# Altium PCB 主控板20160428.PcbDoc (part 3 of 3)
Units mm, origin at the board's own origin, x right, y up, seen from the top; angles counter-clockwise.
Board outline 105 x 80 mm, 2 copper layers (Top Layer, Bottom Layer); 88 components, 152 nets, 500 pads, 192 vias.
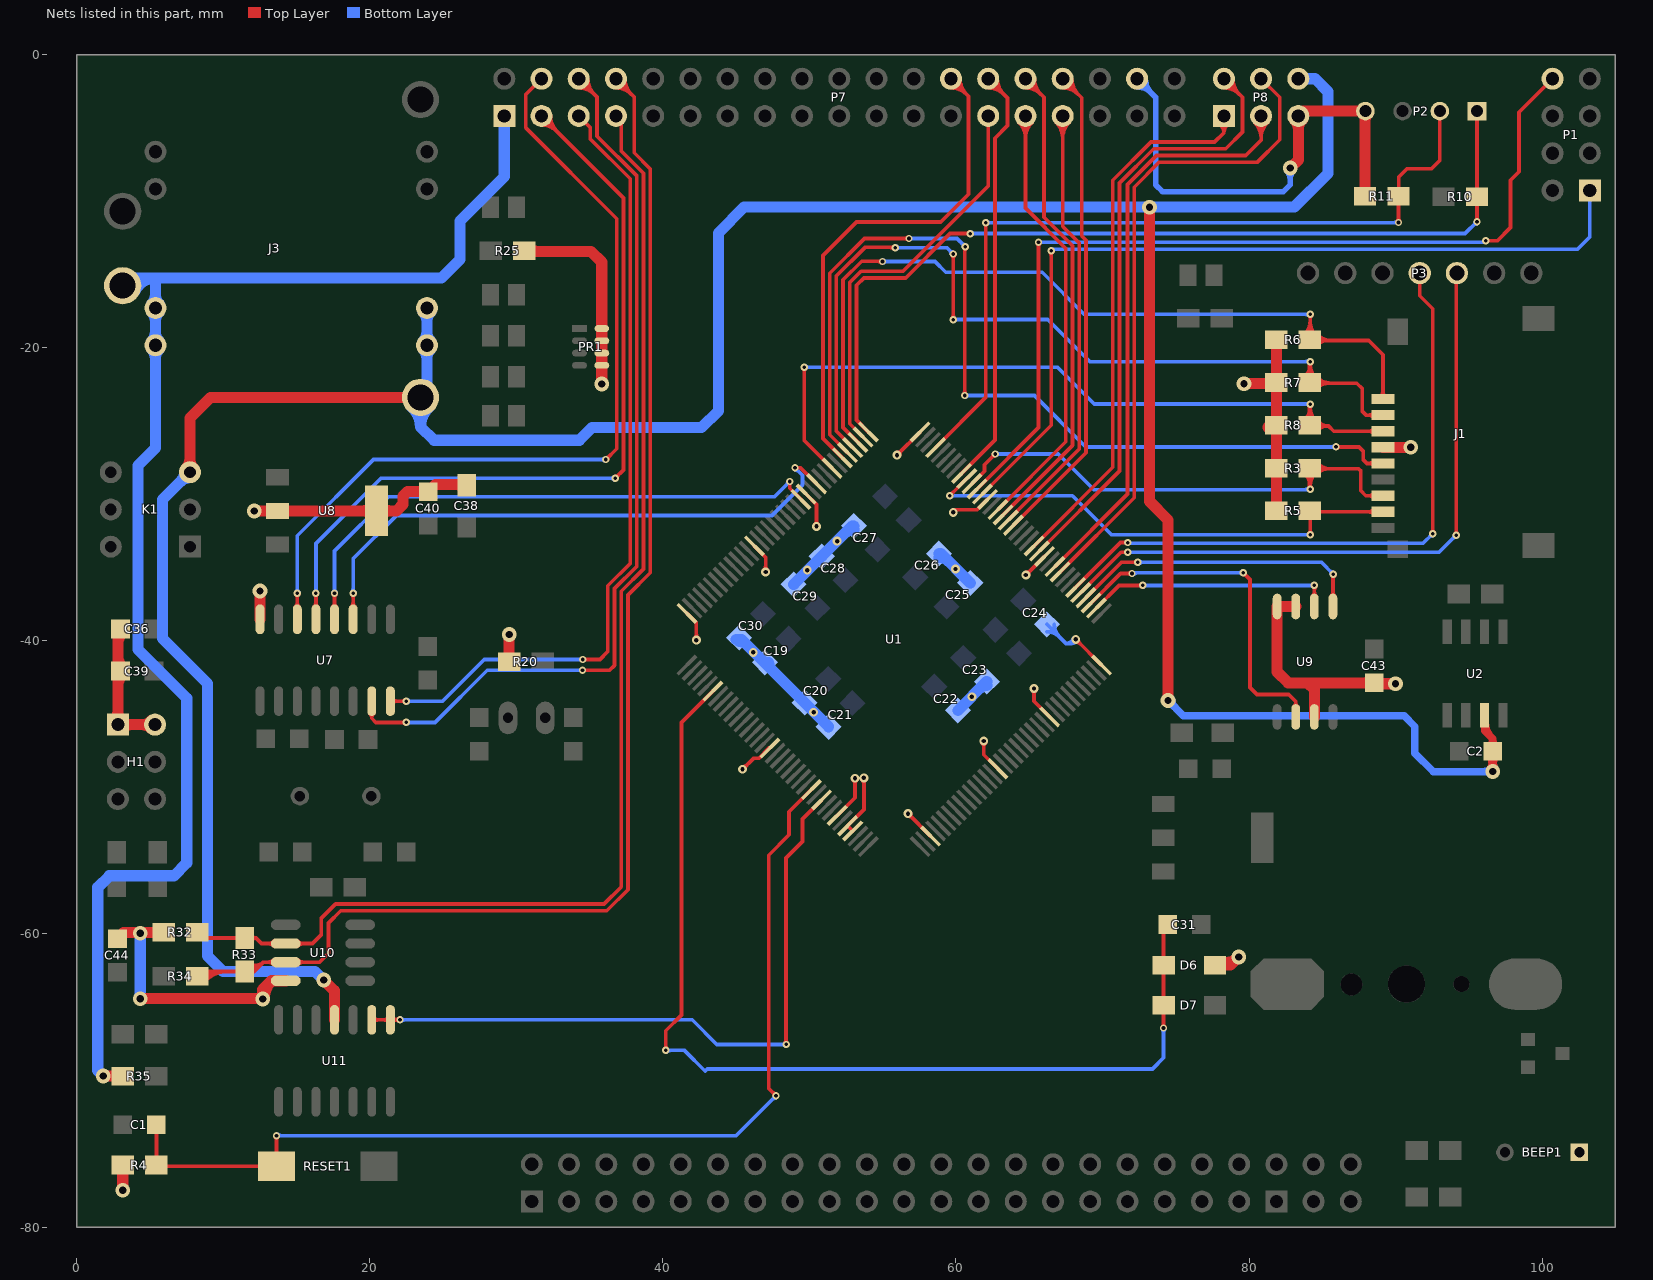
[diagram p3: the nets of this part, all layers, seen from the top]

## Via types
v1: diameter 0.5, hole 0.25, Top Layer to Bottom Layer, 117 vias
v2: diameter 1, hole 0.5, Top Layer to Bottom Layer, 40 vias
v3: diameter 0.6, hole 0.3, Top Layer to Bottom Layer, 31 vias
v4: diameter 1.524, hole 1, Top Layer to Bottom Layer, 4 vias

## Nets (pads, with @x,y where several pads share a name; then routed paths per layer and width w, separated by ;. In a path a pad name is that pad's centre, name@x,y a point inside that pad or via, vN(x,y) a via of type N, cw(c..) or ccw(c..) an arc to the next point about the centre after c; other vN are vias at no path point) (continued)
PA13-JTMS: P2.2 R11.2 U1.105 | length 55.9
  Top Layer w0.254: U1.105@58.62,-26.813 62.027,-23.406 v1(62.027,-11.481) v1@62.027,-11.455 ; v1@90.108,-11.368 ccw(c89.898,-11.158) 90.195,-11.158 ccw(c90.492,-11.158) v1@90.282,-11.368 ; v1(90.195,-11.455) R11.2@90.195,-9.677 90.195,-9.423 90.221,-9.398 90.221,-8.357 90.78,-7.798 92.456,-7.798 93.015,-7.239 P2.2@93.015,-3.861
  Bottom Layer w0.254: v1(62.027,-11.481) v1@90.221,-11.481 ; v1@62.114,-11.568 cw(c62.324,-11.778) 62.324,-11.481 cw(c62.324,-11.184) v1@62.114,-11.394 ; 89.837,-11.481 ccw(c89.837,-11.097) v1@90.108,-11.368
PA14-JTCK: P2.1 R10.2 U1.109 | length 63.9
  Top Layer w0.254: U1.109@54.024,-25.752 53.213,-24.941 53.213,-15.748 53.721,-15.24 56.577,-15.24 59.6,-12.217 v1(60.985,-12.217) ; v1@60.898,-12.304 ccw(c60.688,-12.514) 60.688,-12.217 ccw(c60.688,-11.92) v1@60.898,-12.13 ; v1@95.468,-11.318 ccw(c95.258,-11.108) 95.555,-11.108 ccw(c95.852,-11.108) v1@95.642,-11.318 ; v1(95.555,-11.405) R10.2@95.555,-9.703 P2.1@95.555,-3.861
  Bottom Layer w0.254: v1(60.985,-12.217) 94.742,-12.217 v1(95.555,-11.405) ; v1@61.072,-12.304 cw(c61.282,-12.514) 61.282,-12.217 cw(c61.282,-11.92) v1@61.072,-12.13 ; v1@95.432,-11.405 cw(c95.135,-11.405) 95.345,-11.615 cw(c95.555,-11.825) v1@95.555,-11.528
PC6_U6_TX: P1.1 U1.96 | length 58.8
  Top Layer w0.254: U1.96@61.802,-29.995 66.497,-25.299 v1(66.497,-13.386) ; v1@66.41,-13.473 cw(c66.2,-13.683) 66.497,-13.683 cw(c66.794,-13.683) v1@66.584,-13.473
  Bottom Layer w0.254: v1(66.497,-13.386) 66.592,-13.291 102.406,-13.291 103.251,-12.446 P1.1@103.251,-9.779
PC7_U6_RX: P1.8 U1.97 | length 63
  Top Layer w0.254: U1.97@61.448,-29.641 65.634,-25.456 v1(65.634,-12.802) ; v1@65.547,-12.889 cw(c65.337,-13.099) 65.634,-13.099 cw(c65.931,-13.099) v1@65.721,-12.889 ; v1(96.139,-12.7) 96.952,-12.7 97.841,-11.811 97.841,-8.585 98.425,-8.001 98.425,-3.937 P1.8@100.711,-1.651
  Bottom Layer w0.254: v1(65.634,-12.802) v1@96.139,-12.802
PC8_SDIO_0: J1.7 R3.1 U1.98 | length 41
  Top Layer w0.254: U1.98@61.095,-29.288 61.951,-28.432 61.951,-27.991 v1(62.687,-27.254) ; v1@62.564,-27.254 cw(c62.267,-27.254) 62.477,-27.464 cw(c62.687,-27.674) v1@62.687,-27.377 ; R3.1@83.791,-28.579 cw(c82.862,-29.507) v1@84.176,-29.507 ; R3.1@83.971,-28.399 cw(c83.476,-28.894) 84.176,-28.894 ; v1@84.069,-29.606 ccw(c83.689,-29.387) 84.113,-29.273 ; v1@84.089,-29.58 ccw(c83.879,-29.37) 84.176,-29.37 ccw(c84.473,-29.37) v1@84.263,-29.58 ; v1(84.176,-29.667) 84.176,-28.27 87.478,-28.27 87.63,-28.423 87.63,-29.769 87.964,-30.103 J1.7@89.138,-30.103 ; 84.176,-29.385 cw(c85.315,-29.385) R3.1@84.509,-28.579 ; R3.1@84.457,-28.04 ccw(c85.013,-27.484) 85.013,-28.27 ; R3.1@84.636,-28.579 cw(c85.381,-29.323) 85.381,-28.27 ; R3.1@84.636,-27.86 ccw(c85.626,-26.87) 85.626,-28.27 ; J1.7@88.53,-30.26 ccw(c88.149,-30.641) 88.149,-30.103 ccw(c88.149,-29.564) J1.7@88.53,-29.945
  Bottom Layer w0.254: v1(62.687,-27.254) 66.98,-27.254 69.414,-29.689 84.154,-29.689 v1(84.176,-29.667) ; v1@62.774,-27.341 cw(c62.984,-27.551) 62.984,-27.254 cw(c62.984,-26.957) v1@62.774,-27.167 ; 83.827,-29.689 ccw(c83.827,-29.319) v1@84.089,-29.58
PC9_SDIO_1: J1.8 R5.1 U1.99 | length 36.1
  Top Layer w0.254: v1(59.576,-30.099) U1.99@60.741,-28.934 ; v1@59.576,-29.976 ccw(c59.576,-29.679) 59.786,-29.889 ccw(c59.996,-30.099) v1@59.699,-30.099 ; v1@84.089,-32.679 ccw(c83.879,-32.469) 84.176,-32.469 ccw(c84.473,-32.469) v1@84.263,-32.679 ; v1(84.176,-32.766) 84.176,-31.191 84.187,-31.203 J1.8@89.138,-31.203 ; J1.8@88.53,-31.36 ccw(c88.149,-31.741) 88.149,-31.203 ccw(c88.149,-30.664) J1.8@88.53,-31.045
  Bottom Layer w0.254: v1(59.576,-30.099) 67.945,-30.099 70.612,-32.766 v1(84.176,-32.766) ; v1@59.663,-30.186 cw(c59.873,-30.396) 59.873,-30.099 cw(c59.873,-29.802) v1@59.663,-30.012
PC10_SDIO_2: J1.1 R6.1 U1.111 | length 63.1
  Top Layer w0.254: U1.111@53.316,-26.459 52.299,-25.441 52.299,-15.369 53.571,-14.097 v1@54.991,-14.097 ; 54.633,-14.097 cw(c54.633,-14.481) v1@54.904,-14.209 ; R6.1@83.791,-19.097 ccw(c82.862,-18.169) 84.176,-18.169 ; R6.1@83.971,-19.277 ccw(c83.476,-18.782) 84.176,-18.782 ; v1@84.089,-17.816 cw(c83.879,-18.026) 84.176,-18.026 cw(c84.473,-18.026) v1@84.263,-17.816 ; 84.176,-18.291 ccw(c85.315,-18.291) R6.1@84.509,-19.097 ; v1(84.176,-17.729) 84.176,-19.507 88.163,-19.507 89.138,-20.482 J1.1@89.138,-23.503 ; R6.1@84.457,-19.277 ccw(c85.013,-18.721) 85.013,-19.507 ; R6.1@84.636,-19.816 cw(c85.381,-20.56) 85.381,-19.507 ; R6.1@84.636,-19.097 ccw(c85.626,-18.107) 85.626,-19.507 ; J1.1@88.98,-23.345 ccw(c88.599,-22.964) 89.138,-22.964 ccw(c89.676,-22.964) J1.1@89.295,-23.345
  Bottom Layer w0.254: v1(54.991,-14.122) 58.572,-14.122 59.309,-14.859 65.888,-14.859 68.758,-17.729 v1(84.176,-17.729) ; v1@55.078,-14.209 cw(c55.288,-14.419) 55.288,-14.122 cw(c55.288,-13.825) v1@55.078,-14.035 ; v1@84.089,-17.816 ccw(c83.879,-18.026) 83.879,-17.729 ccw(c83.879,-17.432) v1@84.089,-17.642
PC11_SDIO_3: J1.2 R7.1 U1.112 | length 69.1
  Top Layer w0.254: U1.112@52.963,-26.813 51.841,-25.691 51.841,-15.113 53.797,-13.157 v1@55.855,-13.157 ; 55.496,-13.157 cw(c55.496,-13.541) v1@55.768,-13.27 ; v1@59.73,-17.998 ccw(c59.52,-17.788) 59.817,-17.788 ccw(c60.114,-17.788) v1@59.904,-17.998 ; v1@59.73,-13.701 cw(c59.52,-13.911) 59.817,-13.911 cw(c60.114,-13.911) v1@59.904,-13.701 ; v1(59.817,-18.085) v1(59.817,-13.614) ; R7.1@83.791,-22.018 ccw(c82.862,-21.09) v1@84.176,-21.09 ; R7.1@83.971,-22.198 ccw(c83.476,-21.703) 84.176,-21.703 ; v1@84.069,-21.016 cw(c83.709,-21.224) 84.111,-21.332 ; v1@84.089,-21.042 cw(c83.879,-21.252) 84.176,-21.252 cw(c84.473,-21.252) v1@84.263,-21.042 ; 84.176,-21.212 ccw(c85.315,-21.212) R7.1@84.509,-22.018 ; v1(84.176,-20.955) 84.176,-22.428 87.351,-22.428 87.732,-22.809 87.732,-24.359 87.976,-24.603 J1.2@89.138,-24.603 ; R7.1@84.457,-22.198 ccw(c85.013,-21.642) 85.013,-22.428 ; R7.1@84.636,-22.737 cw(c85.381,-23.481) 85.381,-22.428 ; R7.1@84.636,-22.018 ccw(c85.626,-21.028) 85.626,-22.428 ; J1.2@88.53,-24.76 ccw(c88.149,-25.141) 88.149,-24.603 ccw(c88.149,-24.064) J1.2@88.53,-24.445
  Bottom Layer w0.254: v1(55.855,-13.183) 59.385,-13.183 v1(59.817,-13.614) ; v1@55.942,-13.27 cw(c56.152,-13.48) 56.152,-13.183 cw(c56.152,-12.886) v1@55.942,-13.096 ; v1@59.694,-13.614 ccw(c59.397,-13.614) 59.607,-13.404 ccw(c59.817,-13.194) v1@59.817,-13.491 ; v1(59.817,-18.085) 66.269,-18.085 69.139,-20.955 v1(84.176,-20.955) ; v1@59.904,-18.172 cw(c60.114,-18.382) 60.114,-18.085 cw(c60.114,-17.788) v1@59.904,-17.998 ; v1@84.089,-21.042 ccw(c83.879,-21.252) 83.879,-20.955 ccw(c83.879,-20.658) v1@84.089,-20.868
PC12_SDIO_CK: J1.5 U1.113 | length 68.1
  Top Layer w0.254: U1.113@52.609,-27.166 51.384,-25.941 51.384,-14.924 53.76,-12.548 v1(56.794,-12.548) ; v1@56.707,-12.635 ccw(c56.497,-12.845) 56.497,-12.548 ccw(c56.497,-12.251) v1@56.707,-12.461 ; v1@60.517,-23.179 ccw(c60.307,-22.969) 60.604,-22.969 ccw(c60.901,-22.969) v1@60.691,-23.179 ; v1(60.604,-23.266) 60.604,-13.132 v1(60.63,-13.106) ; 60.604,-13.465 cw(c60.988,-13.465) v1@60.717,-13.193 ; v1(85.928,-26.772) 87.503,-26.772 87.782,-27.051 87.782,-27.635 88.05,-27.903 J1.5@89.138,-27.903 ; v1@86.015,-26.859 cw(c86.225,-27.069) 86.225,-26.772 cw(c86.225,-26.475) v1@86.015,-26.685 ; J1.5@88.53,-28.06 ccw(c88.149,-28.441) 88.149,-27.903 ccw(c88.149,-27.364) J1.5@88.53,-27.745
  Bottom Layer w0.254: v1(56.794,-12.548) 60.071,-12.548 v1(60.63,-13.106) ; v1@60.507,-13.106 ccw(c60.21,-13.106) 60.42,-12.896 ccw(c60.63,-12.686) v1@60.63,-12.983 ; v1(60.604,-23.266) 65.354,-23.266 68.859,-26.772 v1(85.928,-26.772) ; v1@60.691,-23.353 cw(c60.901,-23.563) 60.901,-23.266 cw(c60.901,-22.969) v1@60.691,-23.179 ; v1@85.841,-26.859 ccw(c85.631,-27.069) 85.631,-26.772 ccw(c85.631,-26.475) v1@85.841,-26.685
PD2_SDIO_CMD: J1.3 R8.1 U1.116 | length 57.1
  Top Layer w0.254: v1@49.57,-21.423 cw(c49.36,-21.633) 49.657,-21.633 cw(c49.954,-21.633) v1@49.744,-21.423 ; v1(49.657,-21.336) 49.657,-26.335 U1.116@51.549,-28.227 ; R8.1@83.791,-24.939 ccw(c82.862,-24.011) v1@84.176,-24.011 ; R8.1@83.971,-25.119 ccw(c83.476,-24.624) 84.176,-24.624 ; v1@84.069,-23.912 cw(c83.689,-24.131) 84.113,-24.245 ; v1@84.089,-23.938 cw(c83.879,-24.148) 84.176,-24.148 cw(c84.473,-24.148) v1@84.263,-23.938 ; 84.176,-24.133 ccw(c85.315,-24.133) R8.1@84.509,-24.939 ; v1(84.176,-23.851) 84.176,-25.349 85.42,-25.349 ; R8.1@84.636,-25.658 cw(c85.381,-26.402) 85.381,-25.349 ; R8.1@84.678,-24.986 ccw(c85.42,-24.409) 85.42,-25.349 ; J1.3@88.53,-25.86 ccw(c88.149,-26.241) 88.149,-25.703 ccw(c88.149,-25.164) J1.3@88.53,-25.545 ; J1.3@89.138,-25.703 85.774,-25.703 85.42,-25.349
  Bottom Layer w0.254: v1(49.657,-21.336) 66.929,-21.336 69.444,-23.851 v1(84.176,-23.851) ; v1@49.744,-21.423 cw(c49.954,-21.633) 49.954,-21.336 cw(c49.954,-21.039) v1@49.744,-21.249 ; v1@84.089,-23.938 ccw(c83.879,-24.148) 83.879,-23.851 ccw(c83.879,-23.554) v1@84.089,-23.764
PD5_U2_TX: U1.119 U7.11 | length 42.2
  Top Layer w0.254: U7.11@18.746,-37.695 ccw(c18.443,-37.391) 18.872,-37.391 ccw(c19.301,-37.391) U7.11@18.998,-37.695 ; v1@18.785,-36.841 cw(c18.575,-37.051) 18.872,-37.051 cw(c19.169,-37.051) v1@18.959,-36.841 ; U7.11@18.872,-38.532 v1(18.872,-36.754) ; v1(49.022,-28.194) 49.394,-28.194 U1.119@50.488,-29.288
  Bottom Layer w0.254: v1@18.785,-36.667 ccw(c18.575,-36.457) 18.872,-36.457 ccw(c19.169,-36.457) v1@18.959,-36.667 ; v1(18.872,-36.754) 18.872,-34.406 21.833,-31.445 47.447,-31.445 49.53,-29.362 49.53,-28.702 v1(49.022,-28.194) ; v1@49.022,-28.317 cw(c49.022,-28.614) 49.232,-28.404 cw(c49.442,-28.194) v1@49.145,-28.194
PD6_U2_RX: U1.122 U7.12 | length 41.3
  Top Layer w0.254: U7.12@17.476,-37.695 ccw(c17.173,-37.391) 17.602,-37.391 ccw(c18.031,-37.391) U7.12@17.728,-37.695 ; v1@17.515,-36.841 cw(c17.305,-37.051) 17.602,-37.051 cw(c17.899,-37.051) v1@17.689,-36.841 ; U7.12@17.602,-38.532 v1(17.602,-36.754) ; v1(48.666,-29.134) 48.666,-29.587 U1.122@49.427,-30.348
  Bottom Layer w0.254: v1@17.515,-36.667 ccw(c17.305,-36.457) 17.602,-36.457 ccw(c17.899,-36.457) v1@17.689,-36.667 ; v1(17.602,-36.754) 17.602,-33.88 21.307,-30.175 47.625,-30.175 v1(48.666,-29.134) ; v1@48.543,-29.134 cw(c48.246,-29.134) 48.456,-29.344 cw(c48.666,-29.554) v1@48.666,-29.257
POWER_ADC: U1.27 U11.1 U11.2 | length 51.1
  Top Layer w0.254: U11.2@20.142,-65.862 U11.1@21.412,-65.862 v1(22.073,-65.862) ; U11.2@20.268,-65.988 cw(c20.571,-66.291) 20.571,-65.862 cw(c20.571,-65.433) U11.2@20.268,-65.736 ; U11.1@21.286,-65.988 ccw(c20.983,-66.291) 20.983,-65.862 ccw(c20.983,-65.433) U11.1@21.286,-65.736 ; U11.1@21.538,-65.988 cw(c21.841,-66.291) 21.841,-65.862 cw(c21.841,-65.433) U11.1@21.538,-65.736 ; 21.727,-65.893 cw(c21.801,-66.171) v1@21.991,-65.955 ; 21.727,-65.832 ccw(c21.801,-65.553) v1@21.991,-65.77 ; v1@21.986,-65.949 ccw(c21.776,-66.159) 21.776,-65.862 ccw(c21.776,-65.565) v1@21.986,-65.775 ; v1@48.325,-67.452 ccw(c48.115,-67.242) 48.412,-67.242 ccw(c48.709,-67.242) v1@48.499,-67.452 ; v1(48.412,-67.539) 48.412,-54.825 49.534,-53.703 49.534,-52.162 U1.27@50.842,-50.854
  Bottom Layer w0.254: v1(22.073,-65.862) 42.012,-65.862 43.688,-67.539 v1(48.412,-67.539) ; v1@22.16,-65.949 cw(c22.37,-66.159) 22.37,-65.862 cw(c22.37,-65.565) v1@22.16,-65.775 ; v1@48.325,-67.626 ccw(c48.115,-67.836) 48.115,-67.539 ccw(c48.115,-67.242) v1@48.325,-67.452
PWM1: P8.4 U1.81 | length 44.3
  Top Layer w0.254: U1.81@67.105,-35.298 72.161,-30.242 72.161,-9.052 73.873,-7.341 80.569,-7.341 82.093,-5.817 82.093,-2.921 P8.4@80.823,-1.651
PWM2: P8.3 U1.82 | length 43.9
  Top Layer w0.254: U1.82@66.751,-34.944 71.704,-29.992 71.704,-8.862 73.683,-6.883 79.781,-6.883 80.823,-5.842 P8.3@80.823,-4.191 ; P8.3@80.382,-4.632 cw(c79.319,-5.695) 80.823,-5.695 cw(c82.327,-5.695) P8.3@81.263,-4.632 ; P8.3@80.562,-4.452 cw(c79.932,-5.082) 80.823,-5.082 cw(c81.714,-5.082) P8.3@81.084,-4.452
PWM3: P8.2 U1.85 | length 45.1
  Top Layer w0.254: U1.85@65.691,-33.884 71.158,-28.416 71.158,-8.762 73.494,-6.426 78.41,-6.426 79.553,-5.283 79.553,-2.921 P8.2@78.283,-1.651 ; P8.2@78.283,-2.274 cw(c78.283,-3.778) 79.346,-2.715 cw(c80.41,-1.651) P8.2@78.906,-1.651 ; P8.2@78.283,-2.02 cw(c78.283,-2.911) 78.913,-2.281 cw(c79.543,-1.651) P8.2@78.652,-1.651
PWM4: P8.1 U1.86 | length 38.7
  Top Layer w0.254: U1.86@65.337,-33.53 70.701,-28.167 70.701,-8.572 73.304,-5.969 77.648,-5.969 78.283,-5.334 ; P8.1@77.945,-4.715 cw(c77.546,-5.334) 78.283,-5.334 ; P8.1@78.283,-4.191 78.283,-5.334 ; P8.1@78.62,-4.715 ccw(c79.02,-5.334) 78.283,-5.334
QYG_KC1: P7.32 U1.90 | length 36.9
  Top Layer w0.254: U1.90@63.923,-32.116 68.872,-27.167 68.872,-12.665 68.58,-12.373 68.58,-2.946 P7.32@67.285,-1.651 ; P7.32@67.285,-2.274 cw(c67.285,-3.778) 68.348,-2.715 cw(c69.412,-1.651) P7.32@67.908,-1.651 ; P7.32@67.285,-2.02 cw(c67.285,-2.911) 67.915,-2.281 cw(c68.544,-1.651) P7.32@67.654,-1.651
RESET: C1.1 R4.1 RESET1.1 U1.25 | length 72.4
  Top Layer w0.254: C1.1@5.461,-73.076 5.461,-75.819 5.486,-75.844 RESET1.1@13.64,-75.844 v1(13.64,-73.762) ; C1.1@5.461,-72.72 C1.1@5.461,-72.695 ; v1@13.553,-73.849 cw(c13.343,-74.059) 13.64,-74.059 cw(c13.937,-74.059) v1@13.727,-73.849 ; v1@47.604,-71.044 ccw(c47.307,-71.044) 47.517,-70.834 ccw(c47.727,-70.624) v1@47.727,-70.921 ; v1(47.727,-71.044) 47.223,-70.54 47.223,-54.631 48.616,-53.238 48.616,-51.666 U1.25@50.134,-50.147
  Bottom Layer w0.254: v1(13.64,-73.762) 45.009,-73.762 v1(47.727,-71.044) ; v1@13.727,-73.849 cw(c13.937,-74.059) 13.937,-73.762 cw(c13.937,-73.465) v1@13.727,-73.675 ; v1@47.604,-71.044 cw(c47.307,-71.044) 47.517,-71.254 cw(c47.727,-71.464) v1@47.727,-71.167
RS485_1A: P7.7 R32.1 R33.1 U10.6 | length 88
  Top Layer w0.254: R32.1@8.255,-59.944 8.585,-60.274 R33.1@11.481,-60.274 12.243,-60.274 ; R33.1@11.95,-60.47 cw(c12.243,-60.592) 12.243,-60.274 ; R33.1@11.95,-60.079 ccw(c12.243,-59.957) 12.243,-60.274 ; U10.6@13.453,-60.817 ccw(c13.063,-61.207) 13.063,-60.655 ccw(c13.063,-60.103) U10.6@13.453,-60.494 ; U10.6@15.097,-60.817 cw(c15.487,-61.207) 15.487,-60.655 cw(c15.487,-60.103) U10.6@15.097,-60.494 ; P7.7@36.805,-4.191 37.164,-4.551 37.164,-6.579 38.688,-8.103 38.688,-35.099 37.164,-36.623 37.164,-56.79 35.992,-57.963 17.678,-57.963 16.688,-58.953 16.688,-60.071 16.104,-60.655 U10.6@14.275,-60.655 12.624,-60.655 12.243,-60.274
RS485_1B: P7.8 R33.2 R34.2 U10.7 | length 103.4
  Top Layer w0.254: R34.2@8.23,-62.89 8.56,-62.56 R33.2@11.481,-62.56 12.116,-62.56 12.751,-61.925 ; R34.2@8.357,-62.89 cw(c9.154,-63.688) 9.154,-62.56 ; R34.2@8.536,-63.07 cw(c9.767,-64.301) 9.767,-62.56 ; R34.2@8.716,-63.25 cw(c10.38,-64.914) 10.38,-62.56 ; R33.2@11.337,-62.642 ccw(c11.678,-62.147) R33.2@12.104,-62.572 ; R33.2@11.481,-62.433 ccw(c11.854,-61.891) 12.319,-62.357 ; R33.2@11.625,-62.224 ccw(c12.03,-61.636) 12.535,-62.141 ; R33.2@11.769,-62.015 ccw(c12.206,-61.381) 12.751,-61.925 ; U10.7@13.453,-62.087 ccw(c13.063,-62.477) 13.063,-61.925 ccw(c13.063,-61.373) U10.7@13.453,-61.764 ; U10.7@15.097,-62.087 cw(c15.487,-62.477) 15.487,-61.925 cw(c15.487,-61.373) U10.7@15.097,-61.764 ; P7.8@36.805,-2.274 cw(c36.805,-3.778) 37.868,-2.715 cw(c38.932,-1.651) P7.8@37.428,-1.651 ; P7.8@36.805,-2.02 cw(c36.805,-2.911) 37.435,-2.281 cw(c38.064,-1.651) P7.8@37.174,-1.651 ; P7.8@36.805,-1.651 38.049,-2.896 38.049,-6.706 39.145,-7.802 39.145,-35.355 37.621,-36.879 37.621,-56.98 36.181,-58.42 18.034,-58.42 17.196,-59.258 17.196,-61.316 16.586,-61.925 U10.7@14.275,-61.925 12.751,-61.925
SPI2_MISO: U1.75 U9.2 | length 26.2
  Top Layer w0.254: U1.75@69.226,-37.419 71.238,-35.408 v1(72.009,-35.408) ; v1@71.922,-35.495 ccw(c71.712,-35.705) 71.712,-35.408 ccw(c71.712,-35.111) v1@71.922,-35.321 ; v1@79.604,-35.48 cw(c79.604,-35.777) 79.814,-35.567 cw(c80.024,-35.357) v1@79.727,-35.357 ; v1(79.604,-35.357) 80.061,-35.814 80.061,-43.18 80.543,-43.663 82.702,-43.663 83.185,-44.145 U9.2@83.185,-45.195 ; U9.2@83.063,-44.498 ccw(c82.767,-44.203) 83.185,-44.203 ccw(c83.603,-44.203) U9.2@83.307,-44.498
  Bottom Layer w0.254: v1(72.009,-35.408) 72.06,-35.357 v1(79.604,-35.357) ; v1@72.096,-35.495 cw(c72.429,-35.827) 72.429,-35.357 ; v1@79.517,-35.444 ccw(c79.307,-35.654) 79.307,-35.357 ccw(c79.307,-35.06) v1@79.517,-35.27
SPI2_MOSI: U1.76 U9.5 | length 22.8
  Top Layer w0.254: U1.76@68.873,-37.066 71.293,-34.646 v1(72.415,-34.646) ; v1@72.328,-34.733 ccw(c72.118,-34.943) 72.118,-34.646 ccw(c72.118,-34.349) v1@72.328,-34.559 ; U9.5@85.603,-36.962 ccw(c85.307,-36.667) 85.725,-36.667 ccw(c86.143,-36.667) U9.5@85.847,-36.962 ; U9.5@85.725,-37.659 85.725,-35.484 v1(85.75,-35.458) ; 85.725,-35.817 cw(c86.109,-35.817) v1@85.837,-35.545
  Bottom Layer w0.254: v1(72.415,-34.646) 84.938,-34.646 v1(85.75,-35.458) ; v1@72.502,-34.733 cw(c72.712,-34.943) 72.712,-34.646 cw(c72.712,-34.349) v1@72.502,-34.559 ; v1@85.627,-35.458 ccw(c85.33,-35.458) 85.54,-35.248 ccw(c85.75,-35.038) v1@85.75,-35.335
SPI2_SCK: U1.74 U9.6 | length 19.5
  Top Layer w0.254: U1.74@69.58,-37.773 71.132,-36.22 v1(72.746,-36.22) ; v1@72.659,-36.307 ccw(c72.449,-36.517) 72.449,-36.22 ccw(c72.449,-35.923) v1@72.659,-36.133 ; U9.6@84.333,-36.962 ccw(c84.037,-36.667) 84.455,-36.667 ccw(c84.873,-36.667) U9.6@84.577,-36.962 ; v1@84.368,-36.307 cw(c84.158,-36.517) 84.455,-36.517 cw(c84.752,-36.517) v1@84.542,-36.307 ; U9.6@84.455,-37.659 v1(84.455,-36.22)
  Bottom Layer w0.254: v1(72.746,-36.22) v1(84.455,-36.22) ; v1@72.833,-36.307 cw(c73.043,-36.517) 73.043,-36.22 cw(c73.043,-35.923) v1@72.833,-36.133 ; v1@84.368,-36.307 ccw(c84.158,-36.517) 84.158,-36.22 ccw(c84.158,-35.923) v1@84.368,-36.133
SSD_KC1: P7.28 U1.100 | length 32.5
  Top Layer w0.254: U1.100@60.388,-28.58 62.662,-26.306 62.662,-5.715 63.525,-4.851 63.525,-2.972 P7.28@62.205,-1.651 ; P7.28@62.205,-2.274 cw(c62.205,-3.778) 63.268,-2.715 cw(c64.332,-1.651) P7.28@62.828,-1.651 ; P7.28@62.205,-2.02 cw(c62.205,-2.911) 62.835,-2.281 cw(c63.464,-1.651) P7.28@62.574,-1.651
SSD_KC2: P7.27 U1.110 | length 27.9
  Top Layer w0.254: U1.110@53.67,-26.106 52.756,-25.191 52.756,-15.559 53.532,-14.783 56.388,-14.783 62.205,-8.966 P7.27@62.205,-4.191
SSD_KC3: P7.26 U1.114 | length 38.2
  Top Layer w0.254: U1.114@52.256,-27.52 50.927,-26.191 50.927,-13.714 53.211,-11.43 58.957,-11.43 60.858,-9.529 60.858,-2.845 P7.26@59.665,-1.651 ; P7.26@59.665,-2.274 cw(c59.665,-3.778) 60.728,-2.715 cw(c61.792,-1.651) P7.26@60.288,-1.651 ; P7.26@59.665,-2.02 cw(c59.665,-2.911) 60.295,-2.281 cw(c60.924,-1.651) P7.26@60.034,-1.651
TXX_KC1: P7.31 U1.91 | length 33.8
  Top Layer w0.254: U1.91@63.569,-31.762 68.415,-26.917 68.415,-12.855 67.285,-11.724 P7.31@67.285,-4.191 ; P7.31@66.844,-4.632 cw(c65.781,-5.695) 67.285,-5.695 cw(c68.789,-5.695) P7.31@67.725,-4.632 ; P7.31@67.024,-4.452 cw(c66.394,-5.082) 67.285,-5.082 cw(c68.175,-5.082) P7.31@67.546,-4.452
TXX_KC2: P7.30 U1.92 | length 36.8
  Top Layer w0.254: U1.92@63.216,-31.409 67.958,-26.667 67.958,-13.044 66.015,-11.101 66.015,-2.921 P7.30@64.745,-1.651 ; P7.30@64.745,-2.274 cw(c64.745,-3.778) 65.808,-2.715 cw(c66.872,-1.651) P7.30@65.368,-1.651 ; P7.30@64.745,-2.02 cw(c64.745,-2.911) 65.375,-2.281 cw(c66.004,-1.651) P7.30@65.114,-1.651
TXX_KC3: P7.29 U1.93 | length 33.7
  Top Layer w0.254: U1.93@62.862,-31.055 67.501,-26.417 67.501,-13.233 64.745,-10.477 P7.29@64.745,-4.191 ; P7.29@64.304,-4.632 cw(c63.241,-5.695) 64.745,-5.695 cw(c66.249,-5.695) P7.29@65.185,-4.632 ; P7.29@64.484,-4.452 cw(c63.854,-5.082) 64.745,-5.082 cw(c65.635,-5.082) P7.29@65.006,-4.452
U1_RX: P7.5 U7.8 | length 56.5
  Top Layer w0.254: U7.8@21.412,-44.12 v1(22.504,-44.12) ; U7.8@21.538,-44.246 cw(c21.841,-44.549) 21.841,-44.12 cw(c21.841,-43.691) U7.8@21.538,-43.994 ; v1@22.417,-44.207 ccw(c22.207,-44.417) 22.207,-44.12 ccw(c22.207,-43.823) v1@22.417,-44.033 ; P7.5@34.265,-4.191 35.052,-4.978 35.052,-5.76 37.774,-8.481 37.774,-34.72 36.25,-36.244 36.25,-40.738 35.712,-41.275 v1(34.544,-41.275)
  Bottom Layer w0.254: v1(22.504,-44.12) 24.968,-44.12 27.813,-41.275 v1(34.544,-41.275) ; v1@22.591,-44.207 cw(c22.801,-44.417) 22.801,-44.12 cw(c22.801,-43.823) v1@22.591,-44.033
U1_TX: P7.6 U7.7 | length 67.1
  Top Layer w0.254: U7.7@20.016,-44.957 cw(c19.713,-45.26) 20.142,-45.26 cw(c20.571,-45.26) U7.7@20.268,-44.957 ; U7.7@20.142,-44.12 20.142,-45.288 20.422,-45.568 v1(22.504,-45.568) ; v1@22.417,-45.655 ccw(c22.207,-45.865) 22.207,-45.568 ccw(c22.207,-45.271) v1@22.417,-45.481 ; P7.6@34.265,-2.274 cw(c34.265,-3.778) 35.328,-2.715 cw(c36.392,-1.651) P7.6@34.888,-1.651 ; P7.6@34.265,-2.02 cw(c34.265,-2.911) 34.895,-2.281 cw(c35.524,-1.651) P7.6@34.634,-1.651 ; P7.6@34.265,-1.651 35.509,-2.896 35.509,-5.57 38.231,-8.292 38.231,-34.909 36.707,-36.433 36.707,-41.677 36.373,-42.012 v1(34.519,-42.012)
  Bottom Layer w0.254: v1(22.504,-45.568) 24.46,-45.568 28.016,-42.012 v1(34.519,-42.012) ; v1@22.591,-45.655 cw(c22.801,-45.865) 22.801,-45.568 cw(c22.801,-45.271) v1@22.591,-45.481
U2_RX: P7.3 U7.13 | length 61
  Top Layer w0.254: U7.13@16.206,-37.695 ccw(c15.903,-37.391) 16.332,-37.391 ccw(c16.761,-37.391) U7.13@16.458,-37.695 ; v1@16.245,-36.841 cw(c16.035,-37.051) 16.332,-37.051 cw(c16.629,-37.051) v1@16.419,-36.841 ; U7.13@16.332,-38.532 v1(16.332,-36.754) ; P7.3@31.725,-4.814 cw(c31.725,-6.318) 32.788,-5.255 cw(c33.852,-4.191) P7.3@32.348,-4.191 ; P7.3@31.725,-4.56 cw(c31.725,-5.451) 32.355,-4.821 cw(c32.984,-4.191) P7.3@32.094,-4.191 ; P7.3@31.725,-4.203 P7.3@31.725,-4.191 37.317,-9.783 37.317,-28.342 v1(36.754,-28.905) ; v1@36.754,-28.782 ccw(c36.754,-28.485) 36.964,-28.695 ccw(c37.174,-28.905) v1@36.877,-28.905
  Bottom Layer w0.254: v1@16.245,-36.667 ccw(c16.035,-36.457) 16.332,-36.457 ccw(c16.629,-36.457) v1@16.419,-36.667 ; v1(16.332,-36.754) 16.332,-33.354 20.781,-28.905 v1(36.754,-28.905) ; v1@36.667,-28.992 ccw(c36.457,-29.202) 36.457,-28.905 ccw(c36.457,-28.608) v1@36.667,-28.818
U2_TX: P7.4 U7.14 | length 60.8
  Top Layer w0.254: U7.14@14.936,-37.695 ccw(c14.633,-37.391) 15.062,-37.391 ccw(c15.491,-37.391) U7.14@15.188,-37.695 ; v1@14.975,-36.841 cw(c14.765,-37.051) 15.062,-37.051 cw(c15.359,-37.051) v1@15.149,-36.841 ; U7.14@15.062,-38.532 v1(15.062,-36.754) ; P7.4@31.725,-1.651 30.644,-2.731 30.644,-4.652 30.658,-4.665 30.658,-5.004 36.859,-11.205 36.859,-26.895 v1(36.119,-27.635) ; v1@36.119,-27.512 ccw(c36.119,-27.215) 36.329,-27.425 ccw(c36.539,-27.635) v1@36.242,-27.635
  Bottom Layer w0.254: v1@14.975,-36.667 ccw(c14.765,-36.457) 15.062,-36.457 ccw(c15.359,-36.457) v1@15.149,-36.667 ; v1(15.062,-36.754) 15.062,-32.828 20.255,-27.635 v1(36.119,-27.635) ; v1@36.032,-27.722 ccw(c35.822,-27.932) 35.822,-27.635 ccw(c35.822,-27.338) v1@36.032,-27.548
U3_RX: P3.4 U1.78 | length 45
  Top Layer w0.254: U1.78@68.166,-36.359 71.225,-33.299 v1(71.73,-33.299) ; P3.4@91.643,-14.91 91.643,-16.459 92.532,-17.348 v1(92.532,-32.69) ; v1@92.445,-32.603 ccw(c92.235,-32.393) 92.532,-32.393 ccw(c92.829,-32.393) v1@92.619,-32.603
  Bottom Layer w0.254: v1(71.73,-33.299) 71.776,-33.346 91.876,-33.346 v1(92.532,-32.69) ; v1@92.409,-32.69 cw(c92.112,-32.69) 92.322,-32.9 cw(c92.532,-33.11) v1@92.532,-32.813
U3_TX: P3.5 U1.77 | length 46.1
  Top Layer w0.254: U1.77@68.519,-36.712 71.272,-33.96 v1(71.73,-33.96) ; v1@94.045,-32.704 ccw(c93.835,-32.494) 94.132,-32.494 ccw(c94.429,-32.494) v1@94.219,-32.704 ; v1(94.132,-32.791) 94.132,-14.961 P3.5@94.183,-14.91
  Bottom Layer w0.254: v1(71.73,-33.96) 92.964,-33.96 v1(94.132,-32.791) ; v1@94.009,-32.791 cw(c93.712,-32.791) 93.922,-33.001 cw(c94.132,-33.211) v1@94.132,-32.914
VBAT: C31.2 D6.2 D7.2 U1.6 | length 72
  Top Layer w0.254: v1@40.121,-67.858 ccw(c39.911,-67.648) 40.208,-67.648 ccw(c40.505,-67.648) v1@40.295,-67.858 ; v1(40.208,-67.945) 40.208,-66.599 41.279,-65.528 41.279,-45.568 U1.6@43.417,-43.43 ; v1@74.081,-66.334 ccw(c73.871,-66.124) 74.168,-66.124 ccw(c74.465,-66.124) v1@74.255,-66.334 ; v1(74.168,-66.421) 74.168,-62.128 74.168,-59.842 C31.2@74.676,-59.334
  Bottom Layer w0.254: v1(40.208,-67.945) 41.478,-67.945 42.901,-69.367 43.057,-69.211 73.41,-69.211 74.168,-68.453 v1(74.168,-66.421) ; v1@40.295,-68.032 cw(c40.505,-68.242) 40.505,-67.945 cw(c40.505,-67.648) v1@40.295,-67.858 ; v1@74.081,-66.508 cw(c73.871,-66.718) 74.168,-66.718 cw(c74.465,-66.718) v1@74.255,-66.508
VCC: C2.1 J3.3 K1.3 P8.6 U2.3 U11.4 | length 241.4
  Top Layer w0.508: U2.3@96.063,-45.085 96.063,-46.126 96.622,-46.685 ; U2.3@96.126,-45.593 ccw(c97.567,-45.593) 96.548,-46.612 ; C2.1@96.352,-47.793 cw(c95.702,-48.443) 96.622,-48.443 cw(c97.541,-48.443) C2.1@96.891,-47.793 ; C2.1@96.371,-47.236 ccw(c95.89,-46.685) 96.622,-46.685 ; v2@96.431,-48.765 ccw(c95.929,-48.357) 96.554,-48.19 ; v2@96.448,-48.746 ccw(c96.028,-48.327) 96.622,-48.327 ccw(c97.215,-48.327) v2@96.796,-48.746 ; v2(96.622,-48.92) C2.1@96.622,-47.523 96.622,-46.685 ; 96.689,-48.19 ccw(c97.314,-48.357) v2@96.812,-48.765 ; C2.1@96.872,-47.236 cw(c97.353,-46.685) 96.622,-46.685
  Top Layer w0.762: K1.3@7.476,-28.238 ccw(c6.846,-27.608) 7.737,-27.608 ccw(c8.628,-27.608) K1.3@7.998,-28.238 ; K1.3@7.737,-28.499 7.737,-24.801 9.144,-23.393 J3.3@23.47,-23.393 ; v2(16.866,-63.144) 17.602,-63.881 U11.4@17.602,-65.862 ; J3.3@23.495,-23.393 J3.3@23.495,-23.292 ; v2(73.203,-10.414) 73.203,-30.48 74.473,-31.75 v2(74.473,-44.069)
  Bottom Layer w0.508: v2@74.473,-44.315 cw(c74.473,-44.909) 74.893,-44.489 cw(c75.313,-44.069) v2@74.719,-44.069 ; v2(74.473,-44.069) 75.514,-45.11 90.576,-45.11 91.313,-45.847 91.313,-47.676 92.558,-48.92 v2(96.622,-48.92) ; v2@96.448,-49.094 ccw(c96.028,-49.514) 96.028,-48.92 ccw(c96.028,-48.327) v2@96.448,-48.746
  Bottom Layer w0.762: K1.3@7.368,-28.499 cw(c6.477,-28.499) 7.107,-29.129 cw(c7.737,-29.759) K1.3@7.737,-28.868 ; K1.3@7.737,-28.499 5.867,-30.368 5.867,-39.853 8.941,-42.926 8.941,-61.493 10.008,-62.56 16.281,-62.56 v2(16.866,-63.144) ; J3.3@22.872,-24.052 cw(c21.65,-25.4) 23.47,-25.4 ; J3.3@23.648,-20.098 cw(c23.018,-20.728) 23.909,-20.728 cw(c24.8,-20.728) J3.3@24.17,-20.098 ; J3.3@23.648,-19.576 ccw(c23.018,-18.947) 23.909,-18.947 ccw(c24.8,-18.947) J3.3@24.17,-19.576 ; J3.3@23.648,-17.558 cw(c23.018,-18.188) 23.909,-18.188 cw(c24.8,-18.188) J3.3@24.17,-17.558 ; J3.3@23.909,-17.297 J3.3@23.909,-19.837 23.909,-22.954 J3.3@23.47,-23.393 23.47,-25.4 ; J3.3@24.067,-24.052 ccw(c25.29,-25.4) 23.47,-25.4 ; P8.6@83.363,-1.651 84.506,-1.651 85.395,-2.54 85.395,-8.103 83.083,-10.414 v2(73.203,-10.414) 45.542,-10.414 43.79,-12.167 43.79,-24.308 42.647,-25.451 35.179,-25.451 34.315,-26.314 24.384,-26.314 23.47,-25.4
VCC3.3: BEEP1.1 C19.2 C20.2 C21.2 C22.2 C23.2 C24.2 C25.2 C26.2 C27.2 C28.2 C29.2 C30.2 C36.2 C38.1 C39.2 C40.2 C43.1 C44.1 D6.1 H1.1 H1.2 J1.4 P2.4 P7.36 P8.5 PR1.5 PR1.6 PR1.7 PR1.8 R3.2 R4.2 R5.2 R6.2 R7.2 R8.2 R11.1 R20.2 R25.1 R32.2 U1.17 U1.30 U1.32 U1.33 U1.39 U1.52 U1.62 U1.72 U1.84 U1.95 U1.108 U1.121 U1.131 U1.144 U7.16 U8.2 U8.4 U9.3 U9.7 U9.8 U10.8 | length 221.8
  Top Layer w0.254: U1.144@41.649,-38.126 42.291,-38.768 v3(42.291,-39.954) ; v3@42.169,-39.832 ccw(c41.873,-39.537) 42.291,-39.537 ccw(c42.709,-39.537) v3@42.413,-39.832 ; v3(45.441,-48.768) 46.187,-48.022 46.543,-48.022 47.246,-47.319 U1.17@47.306,-47.319 ; v3@45.441,-48.595 ccw(c45.441,-48.177) 45.736,-48.473 ccw(c46.031,-48.768) v3@45.614,-48.768 ; U1.131@46.245,-33.53 47.015,-34.3 v3(47.015,-35.306) ; v3@46.893,-35.184 ccw(c46.598,-34.888) 47.015,-34.888 ccw(c47.433,-34.888) v3@47.138,-35.184 ; U1.121@49.781,-29.995 50.484,-30.698 v3(50.484,-32.196) v3@50.495,-32.207 ; v3@50.361,-32.073 ccw(c50.066,-31.778) 50.484,-31.778 ccw(c50.901,-31.778) v3@50.606,-32.073 ; U1.30@51.902,-51.915 53.111,-50.706 v3(53.111,-49.378) ; U1.33@52.963,-52.976 U1.32@52.609,-52.622 53.721,-51.51 v3(53.721,-49.352) ; v3@52.989,-49.5 cw(c52.694,-49.795) 53.111,-49.795 cw(c53.529,-49.795) v3@53.234,-49.5 ; v3@53.599,-49.475 cw(c53.303,-49.77) 53.721,-49.77 cw(c54.139,-49.77) v3@53.843,-49.475 ; v3(55.981,-27.33) U1.108@57.559,-25.752 ; v3@55.981,-27.157 ccw(c55.981,-26.74) 56.276,-27.035 ccw(c56.571,-27.33) v3@56.154,-27.33 ; v3@56.693,-51.756 v3(56.728,-51.791) U1.39@58.266,-53.329 ; v3@56.728,-51.964 cw(c56.728,-52.381) 57.023,-52.086 cw(c57.318,-51.791) v3@56.901,-51.791 ; v3(59.817,-31.242) 60.008,-31.051 61.452,-31.051 U1.95@62.155,-30.348 ; v3@61.777,-46.96 cw(c61.482,-47.255) 61.9,-47.255 cw(c62.317,-47.255) v3@62.022,-46.96 ; v3(61.9,-46.838) 61.9,-47.77 U1.52@62.862,-48.733 ; v3(64.772,-35.509) U1.84@66.044,-34.237 ; v3@64.772,-35.336 ccw(c64.772,-34.919) 65.068,-35.214 ccw(c65.363,-35.509) v3@64.945,-35.509 ; v3@65.206,-43.379 cw(c64.911,-43.674) 65.329,-43.674 cw(c65.746,-43.674) v3@65.451,-43.379 ; v3(65.329,-43.256) 65.329,-44.128 U1.62@66.398,-45.197 ; v3@68.174,-40.075 cw(c68.174,-40.493) 68.469,-40.197 cw(c68.764,-39.902) v3@68.347,-39.902 ; v3(68.174,-39.902) U1.72@69.933,-41.662
  Top Layer w0.762: H1.1@2.558,-45.459 ccw(c1.929,-44.829) 2.819,-44.829 ccw(c3.71,-44.829) 3.08,-45.459 ccw(c3.71,-44.829) 3.71,-45.72 ccw(c3.71,-46.611) H1.1@3.08,-45.981 ; C44.1@2.794,-60.325 3.226,-59.893 R32.2@5.944,-59.893 ; 2.819,-43.105 cw(c4.04,-43.105) C39.2@3.177,-42.242 ; 2.819,-41.02 ccw(c4.04,-41.02) C39.2@3.177,-41.883 ; 2.819,-40.235 cw(c4.04,-40.235) C36.2@3.177,-39.372 ; C36.2@2.972,-39.141 2.819,-39.294 H1.1@2.819,-45.72 H1.2@5.359,-45.72 ; v2(3.15,-77.495) R4.2@3.15,-75.768 ; v2(4.343,-64.414) 12.675,-64.414 v2(12.7,-64.44) 12.7,-63.805 U10.8@13.31,-63.195 ; H1.2@5.098,-45.981 ccw(c4.469,-46.611) 4.469,-45.72 ccw(c4.469,-44.829) H1.2@5.098,-45.459 ; v2(12.116,-31.14) U8.2@13.719,-31.14 U8.4@20.469,-31.14 21.819,-31.14 22.276,-30.683 22.276,-30.124 22.581,-29.82 C40.2@24.003,-29.82 24.486,-29.337 C38.1@26.594,-29.337 ; U7.16@12.522,-38.532 v2(12.522,-36.601) ; v2@12.819,-64.436 cw(c14.496,-64.382) U10.8@13.31,-63.195 ; 13.137,-63.367 cw(c13.614,-63.844) U10.8@13.614,-63.17 ; U10.8@14.275,-63.195 U10.8@13.31,-63.195 ; U8.4@20.191,-31.419 ccw(c19.518,-32.092) 19.518,-31.14 ccw(c19.518,-30.189) U8.4@20.191,-30.862 ; U8.4@20.748,-31.419 cw(c21.42,-32.092) 21.42,-31.14 cw(c21.42,-30.189) U8.4@20.748,-30.862 ; 25.883,-29.337 cw(c25.883,-30.124) C38.1@26.44,-29.567 ; R20.2@29.515,-41.427 v2(29.515,-39.573) ; R25.1@30.582,-13.437 35.103,-13.437 35.839,-14.173 PR1.8@35.839,-18.694 PR1.7@35.839,-19.533 PR1.6@35.839,-20.371 PR1.5@35.839,-21.209 v2(35.839,-22.479) ; R25.1@30.863,-13.206 ccw(c31.419,-12.65) 31.419,-13.437 ; D6.1@77.673,-62.128 78.74,-62.128 v2(79.299,-61.57) cw(c78.339,-60.61) D6.1@77.885,-61.889 ; v2(79.654,-22.454) 81.788,-22.454 R7.2@81.864,-22.377 ; 80.94,-22.454 ccw(c80.94,-21.58) R7.2@81.558,-22.198 ; R8.2@81.299,-25.425 81.737,-25.425 R8.2@81.864,-25.298 ; R5.2@81.864,-31.14 R3.2@81.864,-28.219 R8.2@81.864,-25.298 ; R6.2@81.915,-19.507 R6.2@81.864,-19.456 R7.2@81.864,-22.377 ; v2(82.804,-7.747) 83.363,-7.188 P8.5@83.363,-4.191 83.693,-3.861 P2.4@87.935,-3.861 87.909,-3.886 R11.1@87.909,-9.652 ; P8.5@83.102,-4.452 cw(c82.472,-5.082) 83.363,-5.082 cw(c84.254,-5.082) P8.5@83.624,-4.452 ; U9.7@83.185,-37.659 U9.8@81.915,-37.659 81.915,-42.113 82.677,-42.875 83.998,-42.875 ; U9.3@84.455,-45.195 84.455,-43.332 83.998,-42.875 ; 87.87,-42.875 ccw(c87.87,-42.175) C43.1@88.365,-42.67 ; 87.909,-4.535 cw(c88.609,-4.535) P2.4@88.114,-4.04 ; C43.1@88.494,-42.875 83.998,-42.875 ; C43.1@88.544,-42.85 88.621,-42.926 v2(89.992,-42.926) ; C43.1@88.724,-42.67 ccw(c89.342,-42.053) 89.342,-42.926 ; J1.4@89.138,-26.803 v2(91.028,-26.803) ; R8.2@81.864,-25.298 R7.2@81.864,-22.377
  Bottom Layer w0.254: C24.2@66.209,-39.386 cw(c66.209,-40.613) 67.076,-39.745 cw(c67.943,-38.878) C24.2@66.717,-38.878 ; C24.2@66.209,-38.878 67.513,-40.183 ; 67.883,-40.183 ccw(c67.883,-39.79) v3@68.249,-39.931 ; v3@68.012,-39.84 cw(c67.513,-39.648) 67.513,-40.183 ; v3(68.174,-39.902) 67.893,-40.183 67.513,-40.183
  Bottom Layer w0.381: P7.36@72.365,-2.21 cw(c72.365,-3.561) 73.32,-2.606 cw(c74.275,-1.651) P7.36@72.924,-1.651 ; P7.36@72.365,-1.651 73.635,-2.921 73.635,-8.89 74.096,-9.351 82.343,-9.351 82.804,-8.89 v2(82.804,-7.747) ; v2@82.585,-7.966 cw(c82.057,-8.494) 82.804,-8.494 cw(c83.551,-8.494) v2@83.023,-7.966
  Bottom Layer w0.762: v2(4.343,-64.414) v2(4.343,-59.944) ; C30.2@44.993,-39.92 45.374,-39.92 46.212,-40.758 C20.2@49.675,-44.221 C21.2@51.317,-45.863 ; C30.2@45.212,-40.03 cw(c45.212,-40.688) 45.677,-40.223 ; C19.2@47.219,-41.478 ccw(c47.91,-41.478) 47.421,-41.967 ; C29.2@48.93,-36.153 C28.2@50.844,-34.239 52.917,-32.166 C27.2@53.044,-32.166 ; 52.394,-32.689 cw(c53.044,-33.339) C27.2@53.044,-32.42 ; C26.2@58.843,-34.299 cw(c58.843,-35.219) 59.493,-34.569 ; C26.2@58.843,-34.045 58.97,-34.045 C25.2@60.976,-36.052 ; C22.2@60.138,-44.746 62.094,-42.79 C23.2@62.119,-42.79 ; 61.642,-43.241 cw(c62.119,-43.718) C23.2@62.119,-43.044
  other v3: 50.292,-44.882 61.087,-43.815 46.177,-40.792 49.86,-35.179 59.969,-35.103 51.892,-33.198
VCC24: J3.2 P7.1 R35.2 | length 107.5
  Top Layer w0.762: v2(1.829,-69.698) 3.141,-69.698 R35.2@3.15,-69.706 ; J3.2@2.616,-16.231 J3.2@3.175,-15.672 ; J3.2@3.048,-16.637 J3.2@3.175,-16.51
  Bottom Layer w0.762: v2(1.829,-69.698) 1.448,-69.317 1.448,-56.82 2.235,-56.032 6.655,-56.032 7.518,-55.169 7.518,-43.917 4.191,-40.589 4.191,-28.042 5.385,-26.848 J3.2@5.385,-19.837 J3.2@5.385,-17.297 5.385,-15.291 5.436,-15.24 ; J3.2@3.15,-15.773 3.683,-15.24 5.436,-15.24 ; J3.2@3.947,-16.166 cw(c5.435,-16.899) 5.435,-15.24 ; J3.2@5.124,-20.098 cw(c4.494,-20.728) 5.385,-20.728 cw(c6.276,-20.728) J3.2@5.646,-20.098 ; J3.2@5.124,-19.576 ccw(c4.494,-18.947) 5.385,-18.947 ccw(c6.276,-18.947) J3.2@5.646,-19.576 ; J3.2@5.124,-17.558 cw(c4.494,-18.188) 5.385,-18.188 cw(c6.276,-18.188) J3.2@5.646,-17.558 ; J3.2@5.124,-17.036 ccw(c4.494,-16.407) 5.385,-16.407 ccw(c6.276,-16.407) J3.2@5.646,-17.036 ; P7.1@28.924,-4.452 cw(c28.294,-5.082) 29.185,-5.082 cw(c30.075,-5.082) P7.1@29.446,-4.452 ; P7.1@29.185,-4.191 29.185,-8.331 26.162,-11.354 26.162,-13.97 24.892,-15.24 5.436,-15.24
pads on no net: BT1.0 J1.10 J1.11 J1.12 J1.13 K1.1 K1.4 K1.5 K1.6 P1.2 P1.3 P1.6 P5.6 U1.79 U1.80 U1.123 U2.5 U11.12 U11.13 U11.14
copper on no net:
  other v4: 91.643,-53.31 94.183,-53.31 96.723,-53.31 99.263,-53.31

## Polygon pours and split planes (outlines as drawn)
VCC3.3 on Bottom Layer "Top Layer-No Net" (hatched 90Degree grid 0.203 track 0.203, remove dead copper, pour order 4): 0,0 105,0 105,-80 0,-80 0,0
GND on Top Layer "Top Layer-No Net" (hatched 90Degree grid 0.203 track 0.203, remove dead copper, pour order 3): 0,0 105,0 105,-80 0,-80 0,0

## Keep-outs
Keep-Out Layer:
  the board outline again, w0.254

## Silkscreen, mask and mechanical layers (free items; w line width, h text height)
Top Overlay:
  text "3.3V" at 85.496,-8.204 h2
  text "GND" at 89.611,-8.23 h2
  text "--->>" at 99.924,-12.802 h2
  text "3.3v" at 7.036,-46.482 h2
  text "GND" at 7.087,-51.638 h2
Bottom Overlay:
  text "IO板V1.2-20160928" at 26.568,-75.26 h2
  text "http://www.chenghe.info/" at 28.804,-77.851 h2

## Dimensions
0,0 to 105,0 on Top Overlay

## Text inside footprints (layer, text, board x,y; h text height)
J3: Top Overlay "1" at 6.045,-10.414 h1 r270; Top Overlay "2" at 6.096,-15.748 h1 r270; Top Overlay "3" at 19.761,-23.266 h1 r270; Top Overlay "5" at 19.507,-2.718 h1 r270
Y1: Top Overlay "32.768k" at 30.328,-47.676 h1 r270